# Altium PCB TinyPC.PcbDoc (part 2 of 2)
Units mm, origin at the board's own origin, x right, y up, seen from the top; angles counter-clockwise.
Board outline 65 x 27.9 mm, 6 copper layers (Top Layer, Mid-Layer 2, Mid-Layer 4, Int1 (GND), Int2 (PWR), Bottom Layer), stack 2.081 mm thick; 113 components, 114 nets, 577 pads, 293 vias.
Unrouted connection lines stored in the file: 437.
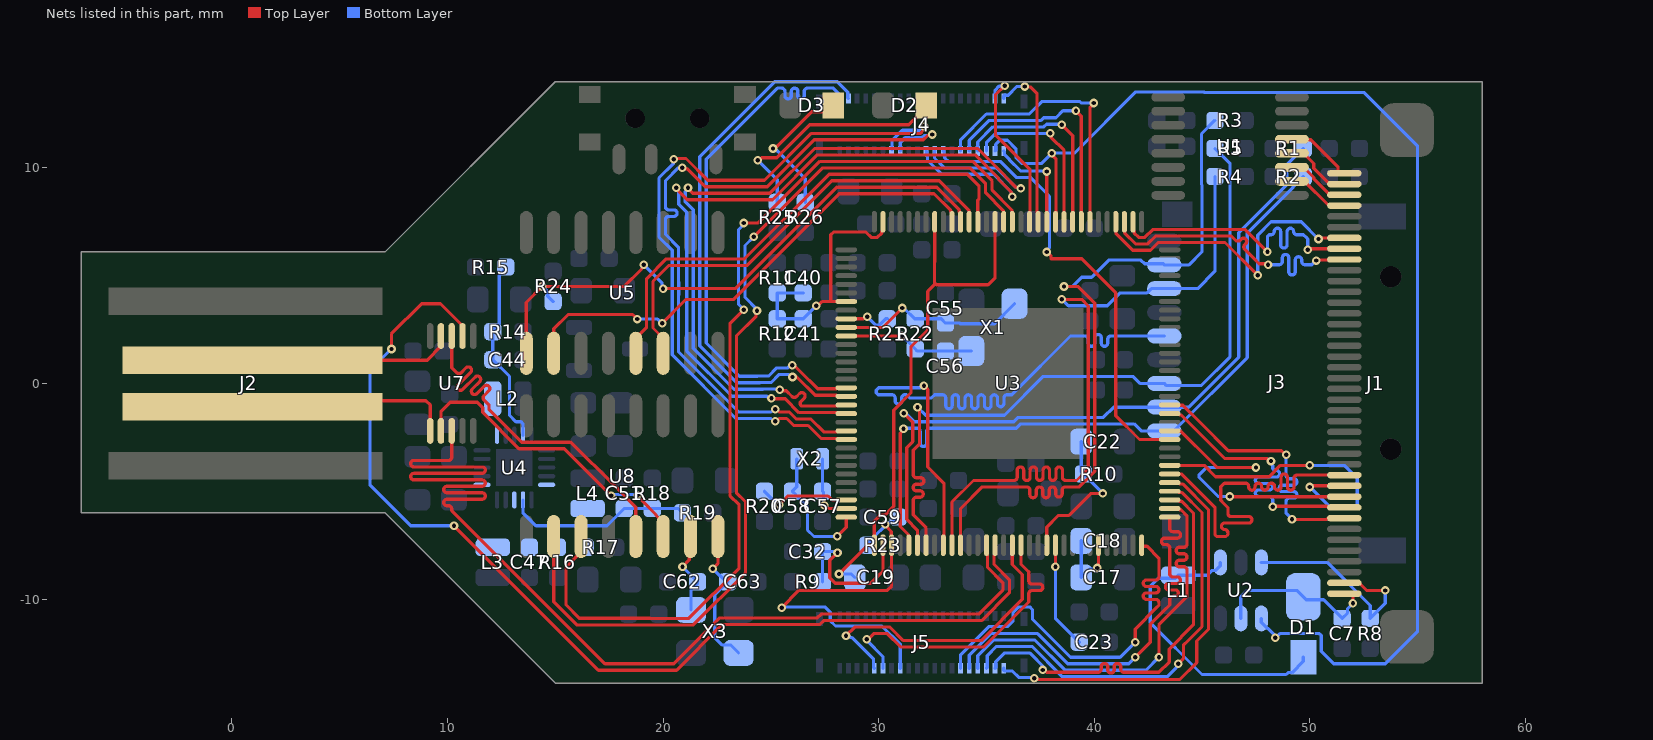
[diagram p4: the nets of this part, all layers, seen from the top]

## Via types
v1: diameter 0.4, hole 0.2, Top Layer to Bottom Layer, tented both sides, 283 vias
v2: diameter 0.7, hole 0.5, Top Layer to Bottom Layer, tented both sides, 10 vias

## Nets (pads, with @x,y where several pads share a name; then routed paths per layer and width w, separated by ;. In a path a pad name is that pad's centre, name@x,y a point inside that pad or via, vN(x,y) a via of type N, cw(c..) or ccw(c..) an arc to the next point about the centre after c; other vN are vias at no path point) (continued)
LCD_D19: J1.8 U3.14 | length 14.1
  Top Layer w0.15: U3.14@43.5,-1 43.515,-1.015 44.115,-1.015 44.957,-1.857 46.225,-3.125 48.687,-3.125 48.862,-3.3 v1(48.9,-3.3) ; v1(49.176,-6.305) 50.789,-6.305 50.815,-6.279 51.571,-6.279 J1.8@51.6,-6.25
  Bottom Layer w0.15: v1(48.9,-3.3) 48.9,-3.9 48.9,-4.267 ccw(c49.05,-4.267) 49.05,-4.417 49.25,-4.417 cw(c49.25,-4.567) 49.25,-4.717 48.725,-4.717 ccw(c48.725,-4.867) 48.725,-5.017 49.25,-5.017 cw(c49.25,-5.167) 49.25,-5.317 49.05,-5.317 ccw(c49.05,-5.467) 48.9,-5.467 48.9,-5.842 48.9,-6.029 v1(49.176,-6.305)
LCD_D20: J1.9 U3.13 | length 14.3
  Top Layer w0.15: U3.13@43.5,-1.4 43.907,-1.4 43.967,-1.46 44.026,-1.46 46.041,-3.475 48.007,-3.475 48.132,-3.6 v1(48.2,-3.6) ; v1(48.275,-5.722) 48.297,-5.7 50.794,-5.7 50.815,-5.721 51.571,-5.721 J1.9@51.6,-5.75
  Bottom Layer w0.15: v1(48.2,-3.6) 48.248,-3.648 48.248,-3.786 48.275,-3.813 48.275,-3.888 ccw(c48.425,-3.888) 48.425,-4.038 48.45,-4.038 cw(c48.45,-4.188) 48.45,-4.338 47.623,-4.338 ccw(c47.623,-4.488) 47.623,-4.638 48.125,-4.638 cw(c48.125,-4.788) 48.125,-4.938 47.623,-4.938 ccw(c47.623,-5.088) 47.623,-5.238 48.125,-5.238 cw(c48.125,-5.388) 48.275,-5.388 v1(48.275,-5.722)
LCD_D21: J1.10 U3.11 | length 14.7
  Top Layer w0.15: U3.11@43.5,-2.2 43.515,-2.215 44.015,-2.215 45.44,-3.64 45.7,-3.9 v1(47.5,-3.9) ; v1(46.293,-5.245) 46.298,-5.25 J1.10@51.6,-5.25
  Bottom Layer w0.15: v1(46.293,-5.245) 45.745,-5.245 44.862,-4.362 44.862,-4.238 45.2,-3.9 v1(47.5,-3.9)
LCD_D22: J1.11 U3.7 | length 14.8
  Top Layer w0.15: U3.7@43.5,-3.8 45.1,-3.8 45.625,-4.325 48.112,-4.325 48.637,-3.8 v1(50,-3.8) ; v1(50,-4.8) 50.068,-4.8 50.117,-4.75 J1.11@51.6,-4.75
  Bottom Layer w0.15: v1(50,-4.8) 50.9,-5.7 52.112,-5.7 52.2,-5.612 52.2,-4.4 51.6,-3.8 v1(50,-3.8)
LCD_D23: J1.12 U3.6 | length 18.1
  Top Layer w0.15: U3.6@43.5,-4.2 43.501,-4.201 44.064,-4.201 45.6,-5.737 45.6,-7.012 45.688,-7.1 46.112,-7.1 46.2,-7.012 46.2,-7 46.2,-6.925 ccw(c46.05,-6.925) 46.05,-6.775 cw(c46.05,-6.625) 46.05,-6.475 47.164,-6.475 ccw(c47.164,-6.325) 47.164,-6.175 46.35,-6.175 cw(c46.35,-6.025) 46.2,-6.025 46.2,-5.753 46.038,-5.59 45.868,-5.421 45.868,-4.795 46.038,-4.625 47.013,-4.625 cw(c47.013,-4.775) 47.163,-4.775 47.163,-4.8 ccw(c47.313,-4.8) 47.463,-4.8 47.463,-4.775 cw(c47.613,-4.775) 47.763,-4.775 47.763,-4.8 ccw(c47.913,-4.8) 48.063,-4.8 48.063,-4.775 cw(c48.213,-4.775) 48.363,-4.775 48.363,-4.8 ccw(c48.513,-4.8) 48.663,-4.8 48.663,-4.348 cw(c48.813,-4.348) 48.963,-4.348 48.963,-4.8 ccw(c49.113,-4.8) 49.263,-4.8 49.263,-4.4 cw(c49.413,-4.4) 49.413,-4.25 50.6,-4.25 J1.12@51.6,-4.25
LCD_DE: J1.34 U3.36 | length 14.7
  Top Layer w0.15: U3.36@41,7.5 41.015,7.485 41.015,6.949 41.79,6.175 42.609,6.175 42.974,6.54 46.065,6.54 v1(47.585,5.02) ; v1(50.4,6.7) 50.468,6.7 50.517,6.75 J1.34@51.6,6.75
  Bottom Layer w0.15: v1(47.585,5.02) 47.585,6.885 48.2,7.5 49.6,7.5 v1(50.4,6.7)
LCD_HSYNC: J1.32 U3.35 | length 14.3
  Top Layer w0.15: U3.35@41.4,7.5 41.415,7.485 41.415,6.974 41.914,6.475 42.485,6.475 42.85,6.84 46.36,6.84 46.5,6.7 46.553,6.647 ccw(c46.659,6.753) 46.765,6.647 46.816,6.698 cw(c46.922,6.592) 47.028,6.698 cw(c46.922,6.592) 47.028,6.486 46.977,6.435 ccw(c47.083,6.329) 46.977,6.223 47.397,5.803 47.644,5.556 48.016,5.556 v1(48.064,5.508) ; v1(50.3,5.7) 50.331,5.731 51.581,5.731 J1.32@51.6,5.75
  Bottom Layer w0.15: v1(48.064,5.508) 48.5,5.508 48.575,5.508 ccw(c48.575,5.658) 48.725,5.658 48.725,5.834 cw(c48.875,5.834) 49.025,5.834 49.025,5.183 ccw(c49.175,5.183) 49.325,5.183 49.325,5.724 cw(c49.475,5.724) 49.625,5.724 49.625,5.658 ccw(c49.775,5.658) 49.775,5.508 50.087,5.508 50.279,5.7 50.294,5.7 v1(50.3,5.7)
LCD_VSYNC: J1.33 U3.34 | length 14.2
  Top Layer w0.15: U3.34@41.8,7.5 41.8,7.093 41.86,7.033 41.86,6.974 42.059,6.775 42.347,6.775 42.712,7.14 47.01,7.14 v1(48.034,6.116) ; v1(49.9,6.2) 49.968,6.2 50.017,6.25 J1.33@51.6,6.25
  Bottom Layer w0.15: v1(48.034,6.116) 48.034,6.812 48.122,6.9 48.197,6.9 ccw(c48.197,7.05) 48.347,7.05 cw(c48.497,7.05) 48.647,7.05 48.647,6.434 ccw(c48.797,6.434) 48.947,6.434 48.947,7.05 cw(c49.097,7.05) 49.247,7.05 ccw(c49.397,7.05) 49.397,6.9 49.7,6.9 49.85,6.75 49.9,6.7 v1(49.9,6.2)
MCSI-CK_N: J4.14 U3.87 | length 34.8
  Top Layer w0.15: v1(20.499,10.401) 20.536,10.437 21.064,10.437 22.075,9.426 24.704,9.426 26.879,11.6 31.943,11.6 32.053,11.71 32.053,11.887 v1(32.101,11.935) ; v1(25.199,-1.75) 25.266,-1.75 25.391,-1.625 25.727,-1.625 26.052,-1.95 26.726,-1.95 27.326,-2.55 28.043,-2.55 28.093,-2.6 U3.87@28.5,-2.6
  Bottom Layer w0.15: v1(20.499,10.401) 20.488,10.389 20.488,10.212 19.812,9.536 19.812,7.225 19.812,6.788 20.42,6.18 20.42,4.581 20.425,4.576 20.425,4.224 20.42,4.219 20.42,1.334 23.379,-1.625 25.006,-1.625 25.131,-1.75 v1(25.199,-1.75) ; J4.14@30.613,10.829 30.613,11.25 31.103,11.74 31.888,11.74 32.083,11.935 v1(32.101,11.935)
MCSI-CK_P: J4.13 U3.86 | length 34.1
  Top Layer w0.15: v1(20.888,10.012) 20.936,9.964 21.113,9.964 21.951,9.126 24.829,9.126 27.003,11.3 32.067,11.3 32.265,11.498 32.442,11.498 v1(32.49,11.546) ; 25.394,-1.325 25.851,-1.325 26.176,-1.65 26.85,-1.65 27.45,-2.25 28.043,-2.25 28.093,-2.2 U3.86@28.5,-2.2
  Bottom Layer w0.15: v1@20.7,10 20.112,9.412 20.112,8.625 20.112,8.2 ccw(c20.262,8.2) 20.262,8.05 20.5,8.05 cw(c20.5,7.9) 20.5,7.75 20.262,7.75 ccw(c20.262,7.6) 20.112,7.6 20.112,7.225 20.112,6.912 20.72,6.304 20.72,4.705 20.725,4.7 20.725,4.1 20.72,4.095 20.72,1.458 23.504,-1.325 25.009,-1.325 25.134,-1.2 v1(25.201,-1.2) ; J4.13@31,10.787 31,11.173 31.239,11.412 32.024,11.412 32.11,11.498 32.442,11.498 v1(32.49,11.546)
MCSI-D0_N: J4.39 U3.82 | length 25.7
  Top Layer w0.15: v1(26.005,0.3) 26.2,0.3 27.05,-0.55 28.043,-0.55 28.093,-0.6 U3.82@28.5,-0.6
  Bottom Layer w0.15: v1(26.005,0.3) 25.938,0.3 25.819,0.419 25.393,0.419 25.021,0.046 24.507,0.046 24.497,0.036 23.415,0.036 21.7,1.751 21.7,10.521 24.988,13.809 25.179,14 28.078,14 28.565,13.513 28.565,13.247 J4.39@28.6,13.212
MCSI-D0_P: J4.40 U3.81 | length 25.5
  Top Layer w0.15: v1(25.991,0.85) 26.058,0.85 26.308,0.6 26.324,0.6 27.174,-0.25 28.043,-0.25 28.093,-0.2 U3.81@28.5,-0.2
  Bottom Layer w0.15: v1(25.991,0.85) 25.923,0.85 25.792,0.719 25.269,0.719 24.896,0.346 24.383,0.346 24.373,0.336 23.54,0.336 22,1.876 22,10.397 25.2,13.597 25.303,13.7 25.5,13.7 cw(c25.5,13.55) 25.65,13.55 25.65,13.35 ccw(c25.8,13.35) 25.95,13.35 25.95,13.55 cw(c26.1,13.55) 26.25,13.55 26.25,13.35 ccw(c26.4,13.35) 26.55,13.35 26.55,13.55 cw(c26.7,13.55) 26.7,13.7 27.138,13.7 27.9,13.7 J4.40@28.2,13.4
MCSI-D1_N: J4.10 U3.84 | length 39.2
  Top Layer w0.15: v1(20.607,9.085) 20.607,9.034 21.116,8.525 23.694,8.525 25.077,8.526 27.151,10.6 34.479,10.6 35.559,9.52 35.559,9.478 36.155,8.882 36.155,8.706 v1(36.203,8.658) ; v1(25.025,-0.679) 25.059,-0.713 25.664,-0.713 26.3,-1.35 28.043,-1.35 28.093,-1.4 U3.84@28.5,-1.4
  Bottom Layer w0.15: v1(20.607,9.085) 20.607,9.017 20.732,8.892 20.732,8.305 21.1,7.936 21.1,1.503 23.197,-0.594 24.812,-0.594 24.85,-0.631 24.977,-0.631 v1(25.025,-0.679) ; J4.10@32.2,10.787 32.235,10.753 32.235,10.555 32.265,10.525 32.265,10.359 32.924,9.7 35.337,9.7 36.155,8.882 36.155,8.706 v1(36.203,8.658)
MCSI-D1_P: J4.9 U3.83 | length 38.8
  Top Layer w0.15: v1(21.157,9.085) 21.157,9.038 21.37,8.825 23.57,8.825 24.953,8.826 27.027,10.9 34.604,10.9 35.859,9.644 35.859,9.602 36.367,9.095 36.544,9.095 v1(36.592,9.047) ; v1(25.412,-0.288) 25.429,-0.305 v1@25.46,-0.336 ; v1@25.46,-0.336 25.711,-0.336 25.979,-0.604 ccw(c26.085,-0.498) 26.191,-0.604 26.329,-0.466 cw(c26.435,-0.572) 26.541,-0.466 cw(c26.435,-0.572) 26.541,-0.678 26.403,-0.816 ccw(c26.509,-0.922) 26.403,-1.028 26.425,-1.05 27.05,-1.05 28.043,-1.05 28.093,-1 U3.83@28.5,-1
  Bottom Layer w0.15: v1(21.157,9.085) 21.157,9.017 21.032,8.892 21.032,8.429 21.4,8.061 21.4,1.627 23.291,-0.264 24.622,-0.264 24.631,-0.254 25.378,-0.254 v1(25.412,-0.288) ; J4.9@32.6,10.787 32.591,10.779 32.591,10.457 33.049,10 35.462,10 36.367,9.095 36.544,9.095 v1(36.592,9.047)
MCSI_MCLK: J4.8 U3.10 | length 21.3
  Top Layer w0.15: v1(37.8,6.1) 38,5.9 38,5.782 39.418,5.782 41,4.2 41,-1.5 42.1,-2.6 U3.10@43.5,-2.6
  Bottom Layer w0.15: J4.8@33,10.787 33.035,10.753 33.035,10.567 33.065,10.537 33.065,10.457 33.222,10.3 35.645,10.3 36.386,9.559 37.041,9.559 37.925,8.675 37.925,6.293 37.8,6.168 v1(37.8,6.1)
MIC_N: J5.15 U3.114 | length 14.3
  Top Layer w0.15: v1(29.443,-11.865) 29.511,-11.865 29.776,-11.6 30.401,-11.6 31.026,-12.225 34.875,-12.225 36.964,-10.136 36.964,-10.13 36.964,-9.755 cw(c37.114,-9.755) 37.114,-9.605 37.467,-9.605 ccw(c37.467,-9.455) 37.467,-9.305 37.114,-9.305 cw(c37.114,-9.155) 36.964,-9.155 36.964,-8.737 36.951,-8.724 36.6,-8.373 U3.114@36.6,-7.5
  Bottom Layer w0.15: v1(29.443,-11.865) 29.443,-11.919 30.2,-12.676 J5.15@30.2,-13.212
MIC_P: J5.16 U3.113 | length 14.3
  Top Layer w0.15: v1(28.483,-11.705) 28.888,-11.3 30.525,-11.3 31.15,-11.925 34.751,-11.925 36.664,-10.012 36.664,-8.862 36.2,-8.397 U3.113@36.2,-7.5
  Bottom Layer w0.15: v1(28.483,-11.705) 28.531,-11.753 28.661,-11.753 28.696,-11.788 28.766,-11.788 29.765,-12.787 29.765,-13.177 J5.16@29.8,-13.212
NetC44_2: C44.2 R14.1 R15.1 U4.14 | length 8.8
  Bottom Layer w0.15: R15.1@12.7,5.4 12.7,5.332 12.4,5.032 12.4,2.768 12.1,2.468 R14.1@12.1,2.4 C44.2@12.1,1.1 12.875,0.325 12.875,-1.476 13.174,-1.775 13.412,-1.775 13.5,-1.863 U4.14@13.5,-2.4
NetC47_2: C47.2 R16.1 R17.1 U4.3
NetC51_2: C51.2 R18.1 R19.1 U4.2 | length 8.7
  Bottom Layer w0.15: U4.2@13.5,-5.4 13.5,-6 14.1,-6.6 17.4,-6.6 C51.2@18.2,-5.8 R18.1@19.5,-5.8 20.7,-5.8 R19.1@20.9,-6
NetC55_2: C55.2 R22.2 U3.74 X1.3 | length 8.9
  Top Layer w0.15: U3.74@28.5,2.6 30.2,2.6 v1(31.1,3.5)
  Bottom Layer w0.15: v1(31.1,3.5) 31.148,3.452 31.221,3.452 31.673,3 32.9,3 C55.2@33.1,2.8 33.758,2.8 33.783,2.775 35.375,2.775 X1.3@36.3,3.7
NetC56_2: C56.2 R22.1 U3.75 X1.1 | length 6.1
  Top Layer w0.15: U3.75@28.5,2.2 v1(31.1,2.2)
  Bottom Layer w0.15: v1(31.1,2.2) R22.1@31.7,1.6 31.8,1.5 C56.2@33.1,1.5 X1.1@34.3,1.5
NetC57_2: C57.2 U3.95 X2.2 | length 3.3
  Top Layer w0.15: v1(27.477,-5.645) 27.535,-5.645 27.69,-5.8 U3.95@28.5,-5.8
  Bottom Layer w0.15: X2.2@27.4,-3.5 C57.2@27.4,-5 27.439,-5.039 27.439,-5.606 v1(27.477,-5.645)
NetC58_2: C58.2 U3.96 X2.1 | length 6.2
  Top Layer w0.15: v1(28.084,-7.081) 28.5,-6.665 28.5,-6.237 U3.96@28.5,-6.2
  Bottom Layer w0.15: X2.1@26.2,-3.5 26.2,-4.8 C58.2@26,-5 26.7,-5.7 26.7,-6.8 27,-7.1 28.065,-7.1 v1(28.084,-7.081)
NetC62_1: C62.1 U8.7 X3.3 | length 4
  Top Layer w0.15: v1(20.9,-8.5) 21.216,-8.184 21.216,-7.159 U8.7@21.275,-7.1
  Bottom Layer w0.15: v1(20.9,-8.5) C62.1@21.6,-9.2 21.6,-9.268 21.3,-9.568 X3.3@21.3,-10.5
NetC63_1: C63.1 U8.8 X3.1 | length 6.8
  Top Layer w0.15: v1(22.3,-8.6) 22.545,-8.355 U8.8@22.545,-7.1
  Bottom Layer w0.15: v1(22.3,-8.6) 22.599,-8.899 22.632,-8.899 22.932,-9.2 C63.1@23,-9.2 22.4,-9.8 22.4,-11.8 22.729,-12.129 23.129,-12.129 X3.1@23.5,-12.5
NetD1_1: D1.1 L1.2 U2.1 | length 14
  Bottom Layer w0.15: U2.1@45.85,-8.3 45.85,-8.463 45.642,-8.671 45.479,-8.671 45.25,-8.9 L1.2@43.9,-8.9 43.763,-9.037 42.963,-9.037 42.6,-9.4 42.6,-11.1 45,-13.5 48.9,-13.5 48.991,-13.409 49.175,-13.409 49.7,-12.884 D1.1@49.7,-12.7
NetD2_1: D2.1 R25.1 | length 11.2
  Top Layer w0.15: v1(24.396,10.358) 24.463,10.358 24.58,10.475 25.276,10.475 25.525,10.724 26.801,12 31.4,12 32.2,12.8 D2.1@32.2,12.9
  Bottom Layer w0.15: v1(24.396,10.358) 25.3,9.454 R25.1@25.3,8.4
NetD3_1: D3.1 R26.1 | length 6.8
  Top Layer w0.15: v1(25.1,10.9) 25.168,10.9 25.268,11.001 25.301,11.001 26.9,12.6 27.6,12.6 D3.1@27.9,12.9
  Bottom Layer w0.15: v1(25.1,10.9) 25.168,10.9 25.268,10.799 25.301,10.799 26.6,9.5 R26.1@26.6,8.4
NetL2_1: L2.1 U4.11
NetL3_1: L3.1 U4.6
NetL4_1: L4.1 U4.20
NetR20_1: R20.1 U3.94 | length 4.3
  Top Layer w0.15: v1(25.383,-5.623) 25.786,-5.22 27.653,-5.22 27.834,-5.4 U3.94@28.5,-5.4
  Bottom Layer w0.15: R20.1@24.7,-5 25.323,-5.623 v1(25.383,-5.623)
NetR21_1: R21.1 U3.73 | length 2.2
  Top Layer w0.15: U3.73@28.5,3 29.299,3 29.399,3.1 v1(29.466,3.1)
  Bottom Layer w0.15: v1(29.466,3.1) 29.863,2.703 30.036,2.703 30.332,3 R21.1@30.4,3
PWM0: J4.2 U2.4 U3.43 | length 58.3
  Top Layer w0.15: v1(38.027,10.685) 38.027,10.617 38.221,10.423 38.221,7.962 38.215,7.957 38.215,7.515 U3.43@38.2,7.5
  Bottom Layer w0.15: J4.2@35.4,10.787 35.435,10.822 35.435,11.088 35.623,11.277 35.977,11.277 36.365,10.888 36.365,10.497 36.662,10.2 37.542,10.2 v1(38.027,10.685) 39.085,10.685 41.925,13.525 45.076,13.525 45.101,13.5 52.5,13.5 55,11 55,-11.5 53.5,-13 51.1,-13 50.525,-12.425 50.525,-11.688 50.437,-11.6 48.613,-11.6 48.413,-11.8 v1(48.4,-11.8) 48.352,-11.752 48.352,-11.666 48.04,-11.353 48.025,-11.353 47.75,-11.078 U2.4@47.75,-10.9
PWM1: J4.1 U3.44 | length 4.8
  Top Layer w0.15: v1(37.796,9.835) 37.8,9.831 U3.44@37.8,7.5
  Bottom Layer w0.15: J4.1@35.8,10.787 35.835,10.753 35.835,10.625 36.065,10.395 36.065,10.373 36.579,9.859 37.772,9.859 v1(37.796,9.835)
SDC0_CLK: J3.5 U3.105 | length 32
  Top Layer w0.15: v1(32.1,-0.1) 32.275,-0.275 32.275,-3.875 33.028,-4.628 33.028,-7.03 33.015,-7.043 33.015,-7.485 U3.105@33,-7.5
  Bottom Layer w0.15: v1(32.1,-0.1) 32.032,-0.1 31.932,-0.2 30.001,-0.2 29.888,-0.313 29.888,-0.437 29.976,-0.525 30.282,-0.525 30.616,-0.525 cw(c30.616,-0.675) 30.766,-0.675 30.766,-0.803 ccw(c30.916,-0.803) 31.066,-0.803 31.066,-0.675 cw(c31.216,-0.675) 31.216,-0.525 31.291,-0.525 31.441,-0.675 32.449,-0.675 32.599,-0.525 32.959,-0.525 cw(c32.959,-0.675) 33.109,-0.675 33.109,-1.025 ccw(c33.259,-1.025) 33.409,-1.025 33.409,-0.675 cw(c33.559,-0.675) 33.709,-0.675 33.709,-1.025 ccw(c33.859,-1.025) 34.009,-1.025 34.009,-0.675 cw(c34.159,-0.675) 34.309,-0.675 34.309,-1.025 ccw(c34.459,-1.025) 34.609,-1.025 34.609,-0.675 cw(c34.759,-0.675) 34.909,-0.675 34.909,-1.025 ccw(c35.059,-1.025) 35.209,-1.025 35.209,-0.675 cw(c35.359,-0.675) 35.509,-0.675 35.509,-0.93 ccw(c35.659,-0.93) 35.809,-0.93 35.809,-0.675 cw(c35.959,-0.675) 35.959,-0.525 36.034,-0.525 36.175,-0.525 38.9,2.2 39.2,2.2 39.575,2.2 cw(c39.575,2.05) 39.725,2.05 39.725,1.875 ccw(c39.875,1.875) 40.025,1.875 40.025,2.125 cw(c40.175,2.125) 40.325,2.125 40.325,1.875 ccw(c40.475,1.875) 40.625,1.875 40.625,2.05 cw(c40.775,2.05) 40.775,2.2 41.3,2.2 J3.5@43.25,2.2
SDC0_CMD: J3.3 R5.1 U3.103 | length 34.3
  Top Layer w0.15: v1(31.8,-1.1) 31.8,-1.168 31.9,-1.268 31.9,-2.8 31.6,-3.1 31.6,-3.406 31.6,-4.225 ccw(c31.75,-4.225) 31.75,-4.375 31.95,-4.375 cw(c31.95,-4.525) 31.95,-4.675 31.75,-4.675 ccw(c31.75,-4.825) 31.75,-4.975 31.917,-4.975 cw(c31.917,-5.125) 31.917,-5.275 31.75,-5.275 ccw(c31.75,-5.425) 31.6,-5.425 31.6,-5.8 31.6,-6.1 32.2,-6.7 U3.103@32.2,-7.5
  Bottom Layer w0.15: v1(31.8,-1.1) 32.175,-1.475 35.838,-1.475 37.638,0.325 41.793,0.325 42.118,0 J3.3@43.25,0 43.35,-0.1 44.951,-0.1 46.3,1.249 46.3,10.2 R5.1@45.6,10.9
SDC0_D0: J3.7 R4.1 U3.106 | length 34.1
  Top Layer w0.15: U3.106@33.4,-7.5 33.4,-5.5 34.4,-4.5 36.2,-4.5 36.275,-4.5 ccw(c36.275,-4.35) 36.425,-4.35 36.425,-4.023 cw(c36.575,-4.023) 36.725,-4.023 36.725,-4.35 ccw(c36.875,-4.35) 37.025,-4.35 37.025,-4.023 cw(c37.175,-4.023) 37.325,-4.023 37.325,-4.35 ccw(c37.475,-4.35) 37.625,-4.35 37.625,-4.023 cw(c37.775,-4.023) 37.925,-4.023 37.925,-4.35 ccw(c38.075,-4.35) 38.225,-4.35 38.225,-4.023 cw(c38.375,-4.023) 38.525,-4.023 38.525,-4.35 ccw(c38.675,-4.35) 38.675,-4.5 39.095,-4.5 39.176,-4.5 39.725,-3.951 39.725,3.593 39.418,3.9 v1(38.5,3.9)
  Bottom Layer w0.15: v1(38.5,3.9) 38.8,3.6 40.6,3.6 41.2,4.2 42.451,4.2 42.651,4.4 J3.7@43.25,4.4 44.8,4.4 45.6,5.2 R4.1@45.6,9.6
SDC0_D1: J3.8 R3.1 U3.107 | length 34
  Top Layer w0.15: U3.107@33.8,-7.5 33.8,-5.8 34.8,-4.8 36.488,-4.8 36.863,-4.8 cw(c36.863,-4.95) 37.013,-4.95 37.013,-5.15 ccw(c37.163,-5.15) 37.313,-5.15 37.313,-4.95 cw(c37.463,-4.95) 37.613,-4.95 37.613,-5.15 ccw(c37.763,-5.15) 37.913,-5.15 37.913,-4.95 cw(c38.063,-4.95) 38.213,-4.95 38.213,-5.12 ccw(c38.363,-5.12) 38.513,-5.12 38.513,-4.95 cw(c38.663,-4.95) 38.663,-4.8 39.183,-4.8 39.3,-4.8 39.9,-4.2 40.025,-4.075 40.025,3.717 39.242,4.5 v1(38.6,4.5)
  Bottom Layer w0.15: v1(38.6,4.5) 38.999,4.5 39.424,4.925 39.875,4.925 40.675,5.725 42.166,5.725 42.339,5.552 43.198,5.552 J3.8@43.25,5.5 44.4,5.5 45,6.1 45,9.199 44.975,9.224 44.975,11.575 R3.1@45.6,12.2
SDC0_D2: J3.1 R2.1 U3.101 | length 34.1
  Top Layer w0.15: v1(31.153,-2.098) 31.153,-2.157 31,-2.31 31,-6.634 31.385,-7.019 31.385,-7.485 U3.101@31.4,-7.5
  Bottom Layer w0.15: v1(31.153,-2.098) 31.176,-2.075 31.4,-2.075 31.775,-2.075 cw(c31.775,-2.225) 31.925,-2.225 31.925,-2.773 ccw(c32.075,-2.773) 32.225,-2.773 32.225,-2.225 cw(c32.375,-2.225) 32.375,-2.075 34.6,-2.075 36.392,-2.075 36.592,-1.875 41.847,-1.875 42.172,-2.2 43.7,-2.2 47.1,1.2 47.1,6.975 49.225,9.1 49.225,9.125 R2.1@49.7,9.6
SDC0_D3: J3.2 R1.1 U3.102 | length 34.5
  Top Layer w0.15: v1(31.16,-1.378) 31.578,-1.797 31.578,-2.697 31.3,-2.976 31.3,-6.3 31.8,-6.8 U3.102@31.8,-7.5
  Bottom Layer w0.15: v1(31.16,-1.378) 31.228,-1.378 31.297,-1.448 31.32,-1.448 31.647,-1.775 34.262,-1.775 35.238,-1.775 35.981,-1.775 36.267,-1.775 36.467,-1.575 38.275,-1.575 38.905,-1.575 40.425,-1.575 40.9,-1.1 J3.2@43.25,-1.1 44.376,-1.1 46.7,1.224 46.7,6.999 48.925,9.224 48.925,9.976 48.913,9.988 48.913,10.113 R1.1@49.7,10.9
SDC1_CLK: J5.1 U3.5 | length 19.2
  Top Layer w0.15: v1(37.215,-13.676) 37.263,-13.724 37.42,-13.724 37.428,-13.732 43.968,-13.732 44.754,-12.946 44.754,-11.946 45.3,-11.4 45.3,-5.861 44.099,-4.66 43.967,-4.66 43.907,-4.6 U3.5@43.5,-4.6
  Bottom Layer w0.15: J5.1@35.8,-13.212 35.8,-13.304 35.835,-13.339 36.201,-13.339 36.497,-13.635 37.174,-13.635 v1(37.215,-13.676)
SDC1_CMD: J5.3 U3.4 | length 19.9
  Top Layer w0.15: U3.4@43.5,-5 43.907,-5 43.967,-5.06 44.074,-5.06 45,-5.986 45,-11.276 44.35,-11.926 44.138,-12.138 44.138,-12.762 v1(43.899,-13.001)
  Bottom Layer w0.15: J5.3@35,-13.212 35.035,-13.177 35.035,-12.623 35.458,-12.2 37.124,-12.2 38.524,-13.6 43.392,-13.6 43.795,-13.197 43.795,-13.173 43.899,-13.068 v1(43.899,-13.001)
SDC1_D0: J5.2 U3.3 | length 19.2
  Top Layer w0.15: v1(37.612,-13.288) 37.679,-13.288 37.791,-13.4 40.1,-13.4 40.175,-13.4 ccw(c40.175,-13.25) 40.325,-13.25 40.325,-13.135 cw(c40.475,-13.135) 40.625,-13.135 40.625,-13.282 ccw(c40.775,-13.282) 40.925,-13.282 40.925,-13.135 cw(c41.075,-13.135) 41.225,-13.135 41.225,-13.25 ccw(c41.375,-13.25) 41.375,-13.4 41.7,-13.4 43,-13.4 43.475,-12.925 43.475,-12.325 44.6,-11.2 44.6,-6.01 44.05,-5.46 43.967,-5.46 43.907,-5.4 U3.3@43.5,-5.4
  Bottom Layer w0.15: J5.2@35.4,-13.212 35.435,-13.177 35.435,-12.912 35.847,-12.5 37,-12.5 v1@37.7,-13.2 ; v1(37.612,-13.288) v1@37.659,-13.336
SDC1_D1: J5.4 U3.2 | length 19.6
  Top Layer w0.15: v1(43,-12.7) 43,-11.2 44.3,-9.9 44.3,-8.725 44.3,-8.65 ccw(c44.15,-8.65) 44.15,-8.5 43.95,-8.5 cw(c43.95,-8.35) 43.95,-8.2 44.15,-8.2 ccw(c44.15,-8.05) 44.15,-7.9 43.95,-7.9 cw(c43.95,-7.75) 43.95,-7.6 44.15,-7.6 ccw(c44.15,-7.45) 44.3,-7.45 44.3,-7.2 44.3,-6.624 44.3,-6.134 44.026,-5.86 43.967,-5.86 43.907,-5.8 U3.2@43.5,-5.8
  Bottom Layer w0.15: J5.4@34.6,-13.212 34.6,-12.634 35.334,-11.9 37.249,-11.9 38.649,-13.3 42.4,-13.3 v1(43,-12.7)
SDC1_D2: J5.5 U3.1 | length 19.7
  Top Layer w0.15: v1(41.9,-12.7) 42.6,-12 42.6,-11.176 43.226,-10.55 43.5,-10.276 43.5,-10.025 cw(c43.65,-10.025) 43.65,-9.875 43.751,-9.875 ccw(c43.751,-9.725) 43.751,-9.575 43.45,-9.575 cw(c43.45,-9.425) 43.45,-9.275 43.85,-9.275 ccw(c43.85,-9.125) 43.85,-8.975 43.65,-8.975 cw(c43.65,-8.825) 43.5,-8.825 43.5,-8.52 43.5,-7.7 43.5,-7.625 ccw(c43.35,-7.625) 43.35,-7.475 43.269,-7.475 cw(c43.269,-7.325) 43.269,-7.175 43.85,-7.175 ccw(c43.85,-7.025) 43.85,-6.875 43.65,-6.875 cw(c43.65,-6.725) 43.5,-6.725 43.5,-6.312 U3.1@43.5,-6.2
  Bottom Layer w0.15: J5.5@34.2,-13.212 34.2,-12.609 35.209,-11.6 37.373,-11.6 38.773,-13 41.6,-13 v1(41.9,-12.7)
SDC1_D3: J5.6 U3.128 | length 19.2
  Top Layer w0.15: v1(41.9,-12) 41.9,-11.4 42.909,-10.391 43,-10.3 43,-10.166 ccw(c42.85,-10.166) 42.85,-10.016 42.421,-10.016 cw(c42.421,-9.866) 42.421,-9.716 42.85,-9.716 ccw(c42.85,-9.566) 42.85,-9.416 42.421,-9.416 cw(c42.421,-9.266) 42.421,-9.116 42.85,-9.116 ccw(c42.85,-8.966) 43,-8.966 43,-8.389 43,-8.1 42.452,-7.552 42.237,-7.552 42.2,-7.515 U3.128@42.2,-7.5
  Bottom Layer w0.15: J5.6@33.8,-13.212 33.8,-12.585 35.108,-11.277 35.977,-11.277 36.237,-11.016 36.237,-10.625 36.497,-10.365 37.003,-10.365 37.135,-10.497 37.135,-10.935 38.9,-12.7 41.2,-12.7 v1(41.9,-12)
SPI_CLK: U3.53 U5.6 | length 21.2
  Top Layer w0.15: U5.6@20.005,1.4 20.005,2.1 19.533,2.572 19.533,4.733 20.275,5.475 23.9,5.475 27.825,9.4 32.814,9.4 34.185,8.03 34.185,7.515 U3.53@34.2,7.5
SPI_CS: R24.2 U3.54 U5.1 | length 27.7
  Top Layer w0.15: U5.1@13.655,1.4 13.655,3.755 v1(14.4,4.5) 18.201,4.5 19,5.299 19,5.332 19.1,5.432 v1(19.1,5.5) ; v1(20,4.4) 23.35,4.4 28.05,9.1 32.69,9.1 33.74,8.05 33.74,7.967 33.8,7.907 U3.54@33.8,7.5
  Bottom Layer w0.15: v1(14.4,4.5) 14.652,4.248 14.652,4.048 R24.2@14.9,3.8 ; v1(19.1,5.5) 19.952,4.648 19.952,4.448 v1(20,4.4)
SPI_MISO: U3.52 U5.5 | length 23
  Top Layer w0.15: U5.5@18.735,1.4 18.735,2.1 19.233,2.598 19.233,3.096 19.233,4.857 20.151,5.775 21.911,5.775 23.776,5.775 27.701,9.7 34.107,9.7 34.659,9.147 34.659,8.564 34.6,8.505 U3.52@34.6,7.5
SPI_MOSI: U3.55 U5.2 | length 23.3
  Top Layer w0.15: U5.2@14.925,1.4 14.934,1.409 14.934,2.534 15.6,3.2 18.584,3.2 v1(18.797,2.986) ; v1(19.958,2.796) 21.062,3.9 23.274,3.9 28.174,8.8 32.566,8.8 33.34,8.026 33.34,7.967 33.4,7.907 U3.55@33.4,7.5
  Bottom Layer w0.15: v1(18.797,2.986) 19.745,2.986 19.935,2.796 v1(19.958,2.796)
SVREF: C40.2 C41.1 R11.1 R12.2 U3.63 U3.71 | length 12.1
  Top Layer w0.15: v1(27.1,3.6) 27.168,3.6 27.368,3.8 27.811,3.8 27.812,3.798 28.498,3.798 U3.71@28.5,3.8 ; 27.775,3.837 27.775,6.893 27.907,7.025 29.409,7.025 29.659,6.775 29.941,6.775 30.14,6.974 30.14,7.033 30.2,7.093 U3.63@30.2,7.5
  Bottom Layer w0.15: C40.2@26.5,4.2 R11.1@25.3,4.2 R12.2@25.3,3 C41.1@26.5,3 v1(27.1,3.6)
SYS_RESET: C59.2 J5.13 R23.2 U3.99 | length 18.1
  Top Layer w0.15: v1(25.5,-10.4) 26.3,-9.6 30.4,-9.6 30.6,-9.4 U3.99@30.6,-7.5 30.585,-7.485 30.585,-6.867 30.304,-6.586 v1(30.304,-6.53)
  Bottom Layer w0.15: v1(25.5,-10.4) 25.535,-10.365 27.503,-10.365 27.75,-10.612 27.75,-11.003 27.997,-11.25 30.15,-11.25 31,-12.1 J5.13@31,-13.212 ; R23.2@29.5,-7.5 29.5,-7.432 29.801,-7.132 29.801,-7.099 30.304,-6.596 v1(30.304,-6.53) ; v1@30.342,-6.568 30.342,-6.56 30.454,-6.448 30.652,-6.448 C59.2@30.9,-6.2
TPX1: J1.37 U1.2 | length 2.9
  Top Layer w0.15: U1.2@49.17,9.375 49.75,9.375 50.846,8.279 51.571,8.279 J1.37@51.6,8.25
TPX2: J1.39 U1.4 | length 3.2
  Top Layer w0.15: U1.4@49.17,10.675 49.708,10.675 50.18,10.203 50.18,9.977 50.879,9.279 51.571,9.279 J1.39@51.6,9.25
TPY1: J1.38 U1.3 | length 3
  Top Layer w0.15: U1.3@49.17,10.025 49.708,10.025 50.18,9.553 50.18,9.49 50.92,8.75 J1.38@51.6,8.75
TPY2: J1.40 U1.5 | length 3.2
  Top Layer w0.15: U1.5@49.17,11.325 49.187,11.308 50.041,11.308 51.313,10.037 51.313,9.819 51.382,9.75 J1.40@51.6,9.75
TWI0_SCK: J4.21 U3.45 | length 8
  Top Layer w0.15: v1(36.783,13.775) 36.812,13.747 37.056,13.747 37.34,13.462 37.34,7.967 37.4,7.907 U3.45@37.4,7.5
  Bottom Layer w0.15: J4.21@35.8,13.212 35.8,13.337 35.835,13.372 36.006,13.372 36.409,13.775 v1(36.783,13.775)
TWI0_SDA: J4.22 U3.46 | length 8.1
  Top Layer w0.15: v1(35.849,13.816) 35.414,13.381 35.414,11.528 37.024,9.918 37.024,8.761 37.024,7.966 37.015,7.957 37.015,7.515 U3.46@37,7.5
  Bottom Layer w0.15: J4.22@35.4,13.212 35.4,13.606 35.579,13.785 35.818,13.785 v1(35.849,13.816)
UART0_RX: U3.49 U8.2 | length 44.4
  Top Layer w0.15: U8.2@14.925,-7.1 14.925,-10.125 16,-11.2 21.4,-11.2 23.825,-8.775 23.825,-5.5 23.4,-5.075 23.4,2.2 24.316,3.116 24.316,3.34 v1(24.355,3.379) ; v1(24.2,6.8) 27.4,10 34.231,10 34.959,9.271 34.959,8.846 35.785,8.02 35.785,7.515 U3.49@35.8,7.5
  Bottom Layer w0.15: v1(24.2,6.8) 23.8,6.4 23.8,3.992 24.355,3.437 v1(24.355,3.379)
UART0_TX: U3.48 U8.3 | length 44.7
  Top Layer w0.15: U8.3@16.195,-7.1 16.195,-7.805 15.5,-8.5 15.5,-10.276 16.112,-10.888 19.388,-10.888 19.4,-10.9 21.2,-10.9 23.525,-8.575 23.525,-5.624 23.1,-5.199 23.1,2.768 v1(23.748,3.416) ; v1(23.74,7.445) 24.421,7.445 27.276,10.3 34.355,10.3 35.259,9.396 35.259,8.97 36.185,8.045 36.185,7.515 U3.48@36.2,7.5
  Bottom Layer w0.15: v1(23.74,7.445) 23.74,7.377 23.5,7.138 23.5,3.664 v1(23.748,3.416)
UART2_CTS: J4.3 U3.42 | length 7.9
  Top Layer w0.15: v1(37.96,11.602) 38.008,11.554 38.008,11.4 38.6,10.808 U3.42@38.6,7.5
  Bottom Layer w0.15: J4.3@35,10.787 35,11.167 35.433,11.6 37.958,11.6 v1(37.96,11.602)
UART2_RTS: J4.4 U3.41 | length 9.4
  Top Layer w0.15: v1(38.5,12) 39,11.5 U3.41@39,7.5
  Bottom Layer w0.15: J4.4@34.6,10.787 34.6,11.2 35.3,11.9 37.657,11.9 37.784,12.027 38.473,12.027 v1(38.5,12)
UART2_RX: J4.5 U3.40 | length 11.3
  Top Layer w0.15: v1(39.15,12.65) 39.4,12.4 U3.40@39.4,7.5
  Bottom Layer w0.15: J4.5@34.2,10.787 34.2,11.276 34.924,12 35.124,12.2 37.533,12.2 37.66,12.327 38.226,12.327 38.549,12.65 v1(39.15,12.65)
UART2_TX: J4.6 U3.39 | length 13
  Top Layer w0.15: U3.39@39.8,7.5 39.8,12.798 39.98,12.978 v1(39.98,13.011)
  Bottom Layer w0.15: J4.6@33.8,10.787 33.8,11.3 35,12.5 36.986,12.5 37.561,13.075 39.326,13.075 39.39,13.011 v1(39.98,13.011)
USB1_N: U3.110 U7.8 | length 53.4
  Top Layer w0.15: U7.8@10.196,-2.2 10.196,-3 10.196,-3.42 cw(c10.046,-3.42) 10.046,-3.57 8.44,-3.57 ccw(c8.44,-3.72) 8.44,-3.87 11.603,-3.87 cw(c11.603,-4.02) 11.603,-4.17 8.44,-4.17 ccw(c8.44,-4.32) 8.44,-4.47 11.603,-4.47 cw(c11.603,-4.62) 11.603,-4.77 9.975,-4.77 ccw(c9.975,-4.92) 9.975,-5.07 11.603,-5.07 cw(c11.603,-5.22) 11.603,-5.37 9.975,-5.37 ccw(c9.975,-5.52) 9.975,-5.67 10.046,-5.67 cw(c10.046,-5.82) 10.196,-5.82 10.196,-5.895 17.301,-13 20.5,-13 22.625,-10.875 27.153,-10.875 27.328,-10.7 34.651,-10.7 35.764,-9.587 35.764,-9.234 35.05,-8.52 35.05,-7.957 35,-7.907 U3.110@35,-7.5
USB1_P: U3.111 U7.2 | length 49.4
  Top Layer w0.15: v1(7.4,1.6) 7.4,2.3 8.8,3.7 9.677,3.7 10.696,2.68 U7.2@10.696,2.2 ; v1(10.3,-6.6) 17,-13.3 20.624,-13.3 22.749,-11.175 27.277,-11.175 27.452,-11 34.775,-11 36.064,-9.711 36.064,-9.11 35.35,-8.396 35.35,-7.957 35.4,-7.907 U3.111@35.4,-7.5
  Bottom Layer w0.15: v1(7.4,1.6) 6.4,0.6 6.4,-4.7 8.3,-6.6 v1(10.3,-6.6)
USB2_N: U7.7 U8.6 | length 14.6
  Top Layer w0.15: U7.7@9.696,-2.2 9.696,-1.304 10.124,-0.876 11.382,-0.876 11.631,-1.125 11.631,-1.342 13.313,-3.025 15.425,-3.025 v1(17.6,-5.2) ; v1(18.83,-5.178) 18.83,-5.245 19.035,-5.45 19.672,-6.088 19.672,-6.114 20.005,-6.447 U8.6@20.005,-7.1
  Bottom Layer w0.15: v1(17.6,-5.2) 17.648,-5.152 17.811,-5.152 17.813,-5.15 18.802,-5.15 v1(18.83,-5.178)
USB2_P: U7.3 U8.5 | length 18.4
  Top Layer w0.15: U7.3@10.196,2.2 10.196,0.979 10.196,0.733 10.427,0.503 ccw(c10.533,0.609) 10.639,0.503 10.86,0.723 cw(c10.966,0.617) 11.072,0.723 cw(c10.966,0.617) 11.072,0.511 10.498,-0.063 ccw(c10.604,-0.169) 10.498,-0.275 ccw(c10.604,-0.169) 10.71,-0.275 11.284,0.299 cw(c11.39,0.193) 11.496,0.299 cw(c11.39,0.193) 11.496,0.087 11.151,-0.258 ccw(c11.257,-0.364) 11.151,-0.47 ccw(c11.257,-0.364) 11.363,-0.47 11.708,-0.125 cw(c11.814,-0.231) 11.92,-0.125 cw(c11.814,-0.231) 11.92,-0.337 11.7,-0.558 ccw(c11.806,-0.664) 11.7,-0.77 11.931,-1.001 11.931,-1.069 11.931,-1.218 13.438,-2.725 15.726,-2.725 17.776,-4.775 18.735,-5.734 U8.5@18.735,-7.1
USB_D_N: J2.2 U7.6 | length 9.6
  Top Layer w0.15: J2.2@0.95,-1.079 1.229,-0.8 9,-0.8 9.196,-0.996 U7.6@9.196,-2.2
USB_D_P: J2.3 U7.4 | length 9.5
  Top Layer w0.15: J2.3@0.95,1.079 9.056,1.079 9.696,1.72 U7.4@9.696,2.2
VHP_BP: C17.1 C18.1 U3.123 | length 3.7
  Top Layer w0.15: v1(40.139,-8.558) 40.139,-8.491 40.2,-8.429 U3.123@40.2,-7.5
  Bottom Layer w0.15: C18.1@39.4,-7.3 C17.1@39.4,-9 39.794,-8.606 40.091,-8.606 v1(40.139,-8.558)
VLED+: J1.2 R8.2 U2.3 | length 10.1
  Top Layer w0.15: J1.2@51.6,-9.25 52.28,-9.25 52.63,-9.6 v1(53.5,-9.6)
  Bottom Layer w0.15: U2.3@47.75,-8.3 50.8,-8.3 52.8,-10.3 R8.2@52.8,-10.9 53.5,-10.2 v1(53.5,-9.6)
VLED-: C7.2 D1.2 J1.1 U2.5 | length 8.1
  Top Layer w0.15: J1.1@51.6,-9.75 51.931,-9.75 52,-9.819 v1(52,-10.2)
  Bottom Layer w0.15: U2.5@46.8,-10.9 46.8,-9.9 47.1,-9.6 49.4,-9.6 D1.2@49.7,-9.9 49.837,-10.037 50.637,-10.037 C7.2@51.5,-10.9 51.748,-10.652 51.748,-10.452 v1(52,-10.2)
VRA1: C22.1 R10.2 U3.117 | length 6.9
  Top Layer w0.15: U3.117@37.8,-7.5 37.8,-6.664 38.343,-6.12 38.831,-6.12 39.852,-5.1 v1(40.4,-5.1)
  Bottom Layer w0.15: C22.1@39.4,-2.7 39.4,-4.1 v1(40.4,-5.1)
VRA2: C23.1 U3.118 | length 5
  Top Layer w0.15: v1(38.2,-8.5) U3.118@38.2,-7.5
  Bottom Layer w0.15: v1(38.2,-8.5) 38.2,-10.9 C23.1@39.3,-12
Vrtc: C32.1 R9.2 U3.98 | length 7.1
  Top Layer w0.15: v1(28.091,-7.851) 27.733,-8.209 27.733,-9.017 27.982,-9.266 29.634,-9.266 30.009,-8.891 30.2,-8.7 U3.98@30.2,-7.907
  Bottom Layer w0.15: R9.2@27.4,-9.2 C32.1@27.4,-7.8 v1@28.232,-7.8
Vrtc_io: C19.1 U3.50 U3.57 U3.97 | length 24.8
  Top Layer w0.15: v1(28.158,-8.841) 29.499,-7.5 U3.97@29.8,-7.5 29.8,-6.4 30.1,-6.1 30.3,-6.1 30.7,-5.7 30.7,-1.237 31.5,-0.437 31.5,1.7 32.275,2.475 32.275,4.269 32.631,4.626 ; U3.57@32.6,7.5 32.6,5.642 32.594,5.636 32.594,4.663 32.682,4.575 35.075,4.575 35.4,4.9 U3.50@35.4,7.5
  Bottom Layer w0.15: v1(28.158,-8.841) 28.74,-8.841 C19.1@28.899,-9
pads on no net: J1. J1.35 J3. J3.9 J4. J5. SW1. U1.7 U1.8 U1.9 U1.10 U1.15 U1.16 U3.100 U5.9 U5.10 U5.11 U5.12 U5.13 U5.14 U5.15 U5.16 U8.9 U8.10 U8.11 U8.12 U8.13 U8.14 U8.15

## Polygon pours and split planes (outlines as drawn)
GND on Int1 (GND) (split plane): 57.49,-13.39 15.211,-13.39 7.461,-5.639 7.384,-5.576 7.295,-5.528 7.2,-5.499 7.1,-5.49 -6.49,-5.49 -6.49,5.59 7.1,5.59 7.2,5.599 7.295,5.628 7.384,5.676 7.461,5.739 15.211,13.49 57.49,13.49
+3V0 on Int1 (GND) (split plane): 37.524,-5.232 37.524,-7.368 33.968,-10.924 31.876,-10.924 31.876,-9.576 34.1,-9.576 34.129,-9.571 34.154,-9.554 36.254,-7.454 36.262,-7.442 36.271,-7.429 36.276,-7.4 36.276,-6.4 36.271,-6.371 36.264,-6.361 36.254,-6.346 34.576,-4.668 34.576,-3.332 34.632,-3.276 35.568,-3.276
+1V8 on Int1 (GND) (split plane): 42.524,10.368 42.524,8.832 40.668,6.976 31.7,6.976 31.671,6.971 31.658,6.962 31.646,6.954 30.146,5.454 29.946,5.254 29.929,5.229 29.924,5.2 29.924,3.2 29.924,0.4 29.924,0.332 29.346,-0.246 29.329,-0.271 29.324,-0.3 29.324,-6.9 29.329,-6.929 29.346,-6.954 31.724,-9.332 31.724,-10.924 30.218,-10.924 27.876,-8.582 27.876,6.968 28.732,7.824 38,7.824 38.029,7.829 38.054,7.846 40.632,10.424 42.468,10.424
+3V3 on Int2 (PWR) (split plane): 173 vertices, not listed, extent 6.676,-13.39 57.49,13.49
+5V0 on Int2 (PWR) (split plane): 6.524,0.8 6.529,0.771 6.546,0.746 9.146,-1.854 9.158,-1.862 9.171,-1.871 9.2,-1.876 11.8,-1.876 11.829,-1.871 11.854,-1.854 12.132,-1.576 19.824,-1.576 19.824,-3.768 19.768,-3.824 15.232,-3.824 14.254,-2.846 14.229,-2.829 14.2,-2.824 9.9,-2.824 9.871,-2.829 9.846,-2.846 7.946,-4.746 7.929,-4.771 7.924,-4.8 7.924,-6.102 7.461,-5.639 7.384,-5.576 7.295,-5.528 7.2,-5.499 7.1,-5.49 -6.49,-5.49 -6.49,5.59 6.524,5.59
+1V2 on Int2 (PWR) (split plane): 32.446,7.646 32.458,7.638 32.471,7.629 32.5,7.624 43.124,7.624 43.124,6.132 41.146,4.154 41.129,4.129 41.124,4.1 41.124,3.6 41.129,3.571 41.146,3.546 43.124,1.568 43.124,0.432 41.446,-1.246 41.429,-1.271 41.424,-1.3 41.424,-1.9 41.429,-1.929 41.446,-1.954 43.124,-3.632 43.124,-4.868 41.046,-6.946 38.268,-9.724 29.8,-9.724 29.771,-9.729 29.746,-9.746 29.729,-9.771 29.724,-9.8 29.724,-10.768 29.468,-11.024 27.632,-11.024 27.476,-10.868 27.476,-0.232 28.032,0.324 29.768,0.324 29.924,0.168 29.924,-0.493 29.146,-1.271 29.129,-1.296 29.124,-1.325 29.124,-1.8 29.129,-1.829 29.146,-1.854 29.924,-2.632 29.924,-3.393 29.446,-3.871 29.429,-3.896 29.424,-3.925 29.424,-5.9 29.429,-5.929 29.446,-5.954 29.946,-6.454 31.646,-8.154 31.658,-8.162 31.671,-8.171 31.7,-8.176 37.3,-8.176 37.329,-8.171 37.354,-8.154 39.854,-5.654 39.862,-5.642 39.871,-5.629 39.876,-5.6 39.876,1.4 39.871,1.429 39.854,1.454 36.554,4.754 36.529,4.771 36.5,4.776 31.432,4.776 29.951,6.257 29.951,6.725 29.946,6.754 29.937,6.767 29.929,6.779 27.379,9.329 27.354,9.346 27.325,9.351 26.857,9.351 25.354,10.854 25.329,10.871 25.3,10.876 22.032,10.876 21.654,11.254 21.629,11.271 21.6,11.276 20.2,11.276 20.171,11.271 20.158,11.262 20.146,11.254 19.768,10.876 14.9,10.876 14.871,10.871 14.861,10.864 14.846,10.854 13.146,9.154 13.129,9.129 13.124,9.1 13.124,6.232 10.468,3.576 6.676,3.576 6.676,5.59 7.1,5.59 7.2,5.599 7.295,5.628 7.384,5.676 7.461,5.739 15.211,13.49 26.602,13.49
+1V8 on Int2 (PWR) (split plane): 27.324,-10.9 27.329,-10.929 27.346,-10.954 27.546,-11.154 27.558,-11.162 27.571,-11.171 27.6,-11.176 29.5,-11.176 29.529,-11.171 29.554,-11.154 29.854,-10.854 29.871,-10.829 29.876,-10.8 29.876,-9.876 31.824,-9.876 31.824,-12.024 24.632,-12.024 23.754,-11.146 23.729,-11.129 23.7,-11.124 15.632,-11.124 15.576,-11.068 15.576,-9.376 16.568,-9.376 17.146,-9.954 17.171,-9.971 17.2,-9.976 23.825,-9.976 23.854,-9.971 23.879,-9.954 24.457,-9.376 27.324,-9.376
+3V0 on Int2 (PWR) (split plane): 30.546,2.446 30.558,2.438 30.571,2.429 30.6,2.424 33.668,2.424 35.724,0.368 35.724,-3.8 35.729,-3.829 35.746,-3.854 37.892,-6 37.168,-6.724 36.532,-6.724 34.476,-4.668 34.476,-0.6 34.471,-0.571 34.454,-0.546 32.654,1.254 32.629,1.271 32.6,1.276 29.332,1.276 22.954,7.654 22.929,7.671 22.9,7.676 15.476,7.676 15.476,9.468 15.732,9.724 23.268,9.724
+1V8 on Int2 (PWR) (split plane): 51.624,8.432 50.768,7.576 49.632,7.576 48.876,8.332 48.876,11.4 48.871,11.429 48.854,11.454 47.954,12.354 47.929,12.371 47.9,12.376 45.5,12.376 45.471,12.371 45.458,12.362 45.446,12.354 43.146,10.054 43.129,10.029 43.124,10 43.124,7.776 32.532,7.776 26.819,13.49 51.624,13.49

## Other copper
Top Layer:
  region net +1V8: 31.911,8 30.486,8 30.486,6.5 29,6.5 29,5.98 29,5.9 31.911,5.9
  region net GND: 6.891,3.184 7.484,3.184 9.7,5.4 9.7,7.1 7.042,4.442 5.969,4.442
  region net +5V0: 6.8,-3.2 7,-3 7,-2 7.8,-2 7.8,-3.8 7.164,-4.436 6.844,-4.436
  region net +1V2: 44,3.3 43,3.3 42.5,2.8 42.5,1.9 41.819,1.9 41.8,1.919 41.8,3.3 42.4,3.9 44,3.9
  region net +1V2: 44,1.919 44,0.885 41.8,0.885 41.8,1.919
  region net +1V8: 29,4.1 29,6.8 28,6.8 28,4.1
Bottom Layer:
  region net GND: 38.6,-0.7 38.1,-1.2 37.1,-1.2 37.1,-0.559 37.945,-0.555 38.6,0.1
  region net +3V0: 16.5,9.7 17.2,9.7 17.2,8.4 16.5,7.7
  region net +3V0: 16.711,2.244 16.711,5.189 16.5,5.4 16.5,9.7 15.7,9.7 15.7,3.1 15.5,2.9 15.5,2.245
  region net +1V2: 13.9,6 13.9,6.5 12.5,7.9 11.7,7.9 11.7,6.6 12.7,6.6 13.3,6
  region net GND: 27.667,-6.333 28.1,-5.9 28.1,-3 27.8,-2.7 25.2,-2.7 23.4,-4.5 23,-4.1 23,-3.9 24.8,-2.1 28,-2.1 28.7,-2.8 28.7,-6.4 28.6,-6.5 27.7,-6.5
  region net GND: 32.7,-0.3 35.605,-0.3 38,2.095 38,4.3 37,5.3 33.4,5.3 32.7,4.6 32.7,4 32.9,3.8 34.5,3.8 35.3,4.6 36.9,4.6 37.2,4.3 37.2,3 34.7,0.5 32.7,0.5
  region net GND: 28.2,1.2 28.2,2 24.9,2 24.9,1.2
  region net GND: 41.1,-12.4 41.1,-10.4 41.9,-9.6 41.9,-6.7 40.9,-6.7 40.9,-9.6 40.3,-10.2 40.3,-12.4
  region net GND: 26.4,-8.2 26.4,-6 24.3,-6 23.4,-5.1 23.4,-4.5 22.4,-4.5 22.4,-5.1 21.9,-5.6 21.9,-6.4 23.8,-6.4 25.6,-8.2
  region net GND: 20.2,-11.1 20.2,-11.4 22.2,-13.4 24.1,-13.4 24.4,-13.1 24.4,-11.5 23.9,-11 23.9,-8.954 24.054,-8.8 25,-8.8 25,-13.4 24.5,-13.9 21.4,-13.9 19.4,-11.9 19.4,-11.1
  region net GND: 17.4,-8 18,-8.6 18,-9.7 18.7,-9.7 19.4,-10.4 19.4,-11.1 20.2,-11.1 20.2,-10 20.6,-9.6 20.6,-8.8 19.8,-8.8 18.2,-7.2 17.4,-7.2
  region net GND: 10.9,-5.9 10.9,-4.9 8,-4.9 8,-5.9
  region net GND: 10.5,-0.9 10.5,-0.1 9.9,-0.1 8.8,1 8.8,1.9 8,1.9 8,-0.4 9.3,-0.4 9.8,-0.9
  region net GND: 18.6,-1.4 18.6,-0.4 18.1,-0.4 16.7,1 15.5,1 15.5,-1.4
  region net +3V3: 20.3,-2.4 20.3,-1 18.1,1.2 18.1,2 19.3,2 21.4,-0.1 21.4,-2.4
  region net +3V3: 16.5,-4.8 20.1,-4.8 20.4,-5.1 21.4,-5.1 21.4,-2.4 20.3,-2.4 20.3,-3.7 20,-4 16.5,-4
  region net +1V2: 13.9,-0.6 13.9,6 13.3,6 13.3,4.8 12.9,4.4 12.9,3.3 13.1,3.1 13.1,-0.6
  region net NetL2_1: 12.4,-2.8 12.4,-1.6 12.5,-1.5 12.5,0.1 11.7,0.1 11.7,-1.5 12.2,-2 12.2,-2.8
  region net +1V8: 11.3,-9.4 15.7,-9.4 16,-9.7 16,-10.8 17,-10.8 17,-8.5 15.6,-8.5 15.5,-8.6 11.3,-8.6
  region net NetL4_1: 14.2,-4.6 14.2,-4.7 15.7,-6.2 17.3,-6.2 17.3,-5.4 15.8,-5.4 15,-4.6
  region net NetC47_2: 13.2,-5 13.2,-6.2 14.2,-7.2 16.8,-7.2 16.8,-8 13.4,-8 13.4,-7.5 13,-7 13,-5
  region net NetL3_1: 12,-4.6 12,-6.3 12.9,-7.2 12.9,-8 11.2,-8 11.2,-4.6
  region net +5V0: 14.2,-4.4 15,-4.4 16,-3.4 19.7,-3.4 19.7,-2.4 14.8,-2.4 14.2,-3 14.2,-3.2 15,-3.2 15.2,-3.4 15.2,-3.6 15,-3.8 14.2,-3.8
  region net +5V0: 12,-4.4 12,-3 11,-3 10.5,-2.5 10.5,-1.5 9.3,-1.5 9.2,-1.4 7,-1.4 7,-3.9 10.6,-3.9 11.1,-4.4
  region net +3V0: 37.7,-7 37.7,-6.2 36.5,-5 36.5,-4.2 36.3,-4 36.3,-3.3 35.5,-3.3 35.5,-5.7 36.1,-5.7 36.9,-6.5 36.9,-7
  region net +3V3: 30.5,-5.3 31.7,-5.3 31.9,-5.5 31.906,-5.494 31.906,-4.336 31.742,-4.5 30.5,-4.5
  region net +3V3: 30.5,-7.9 31.7,-7.9 31.9,-8.1 31.906,-8.094 31.906,-6.936 31.742,-7.1 30.5,-7.1
  region net +3V3: 32.9,-9.6 32.9,-6.3 32.7,-6.1 32.7,-4.1 31.9,-4.1 31.9,-9.6
  region net +1V2: 30.4,7 31,7 31.6,6.4 31.6,5.3 33,5.3 33,5.7 32.8,5.7 32.4,6.1 32.4,7.8 30.4,7.8
  region net GND: 39.758,-0.704 39.558,-0.904 39.158,-0.904 38.958,-0.704
  region net GND: 41.7,-0.7 41.7,0.1 38.6,0.1 38.6,-0.7
  region net +1V2: 42.3,1.952 42.3,1.2 41.8,0.7 38.6,0.7 38.6,1.5 41.5,1.5 41.952,1.952
  region net SVREF: 27.1,3.6 27.1,3.8 26.8,4.1 26.7,4 26.7,3.9 27,3.6
  region net +1V8: 29.4,4.4 29.4,5.2 28.6,5.2 28.6,4.4
  region net +1V8: 24.9,5.2 29.4,5.2 29.4,6.3 28,6.3 27.8,6.1 24.9,6.1
  region net +1V8: 29.868,6.8 28,6.8 28,6 29.868,6
Int1 (GND) (plane layer: these items are gaps in the copper):
  lines w0.15: 31.8,-9.5 34.1,-9.5 36.2,-7.4 36.2,-6.4 34.5,-4.7 34.5,-3.3 34.6,-3.2 35.6,-3.2 37.6,-5.2 37.6,-7.4 34,-11 31.8,-11 ; 31.8,-11 30.187,-11 27.8,-8.613 27.8,7 28.7,7.9 38,7.9 40.6,10.5 42.5,10.5 42.6,10.4 42.6,8.8 40.7,6.9 31.7,6.9 30.2,5.4 30,5.2 30,3.2 30,0.4 30,0.3 29.4,-0.3 29.4,-6.9 31.8,-9.3 31.8,-11
Int2 (PWR) (plane layer: these items are gaps in the copper):
  lines w0.15: 6.6,3.5 10.5,3.5 13.2,6.2 13.2,9.1 14.9,10.8 19.8,10.8 20.2,11.2 21.6,11.2 22,10.8 22.7,10.8 25.3,10.8 26.825,9.275 27.325,9.275 29.875,6.725 29.875,6.225 31.4,4.7 36.5,4.7 39.8,1.4 39.8,-5.6 37.3,-8.1 31.7,-8.1 30,-6.4 29.5,-5.9 29.5,-3.925 30,-3.425 30,-2.6 29.2,-1.8 29.2,-1.325 30,-0.525 30,0.2 29.8,0.4 28,0.4 27.4,-0.2 27.4,-10.9 27.6,-11.1 29.5,-11.1 29.8,-10.8 29.8,-9.8 38.3,-9.8 41.1,-7 43.2,-4.9 43.2,-3.6 41.5,-1.9 41.5,-1.3 43.2,0.4 43.2,1.6 41.2,3.6 41.2,4.1 43.2,6.1 43.2,7.7 ; 6.6,6.2 6.6,0.8 9.2,-1.8 11.8,-1.8 12.1,-1.5 19.9,-1.5 19.9,-3.8 19.8,-3.9 15.2,-3.9 14.2,-2.9 9.9,-2.9 8,-4.8 8,-7.3 ; 26.2,14 32.5,7.7 43.2,7.7 ; 27.4,-9.3 24.425,-9.3 23.825,-9.9 17.2,-9.9 16.6,-9.3 15.5,-9.3 15.5,-11.1 15.6,-11.2 23.5,-11.2 23.6,-11.2 23.7,-11.2 24.6,-12.1 31.9,-12.1 31.9,-9.8 ; 33.3,7.7 43.2,7.7 ; 51.7,14.1 51.7,8.4 50.8,7.5 49.6,7.5 48.8,8.3 48.8,11.4 47.9,12.3 45.5,12.3 43.2,10 43.2,7.7 ; 15.4,7.6 15.4,9.5 15.7,9.8 23.3,9.8 30.6,2.5 33.7,2.5 35.8,0.4 35.8,-3.8 38,-6 37.2,-6.8 36.5,-6.8 34.4,-4.7 34.4,-0.6 32.6,1.2 29.3,1.2 22.9,7.6 15.4,7.6

## Silkscreen, mask and mechanical layers (free items; w line width, h text height)
Top Overlay:
  text "USB" at 26,10.913 h1.1
  text "DEBUG" at 29.445,10.913 h1.1
  text "MODE" at 15.787,10.9 h1.1 r90
Mechanical 1:
  the board outline again, w0.1

## Text inside footprints (layer, text, board x,y; h text height)
J1: Top Overlay "40" at 50.8,11.4 h0.8 r270